# Allegro board RK_NVR_DEMO1_RK3588_LP4XD200P232SD8_V21_20211228_final_lint.brd (continued)
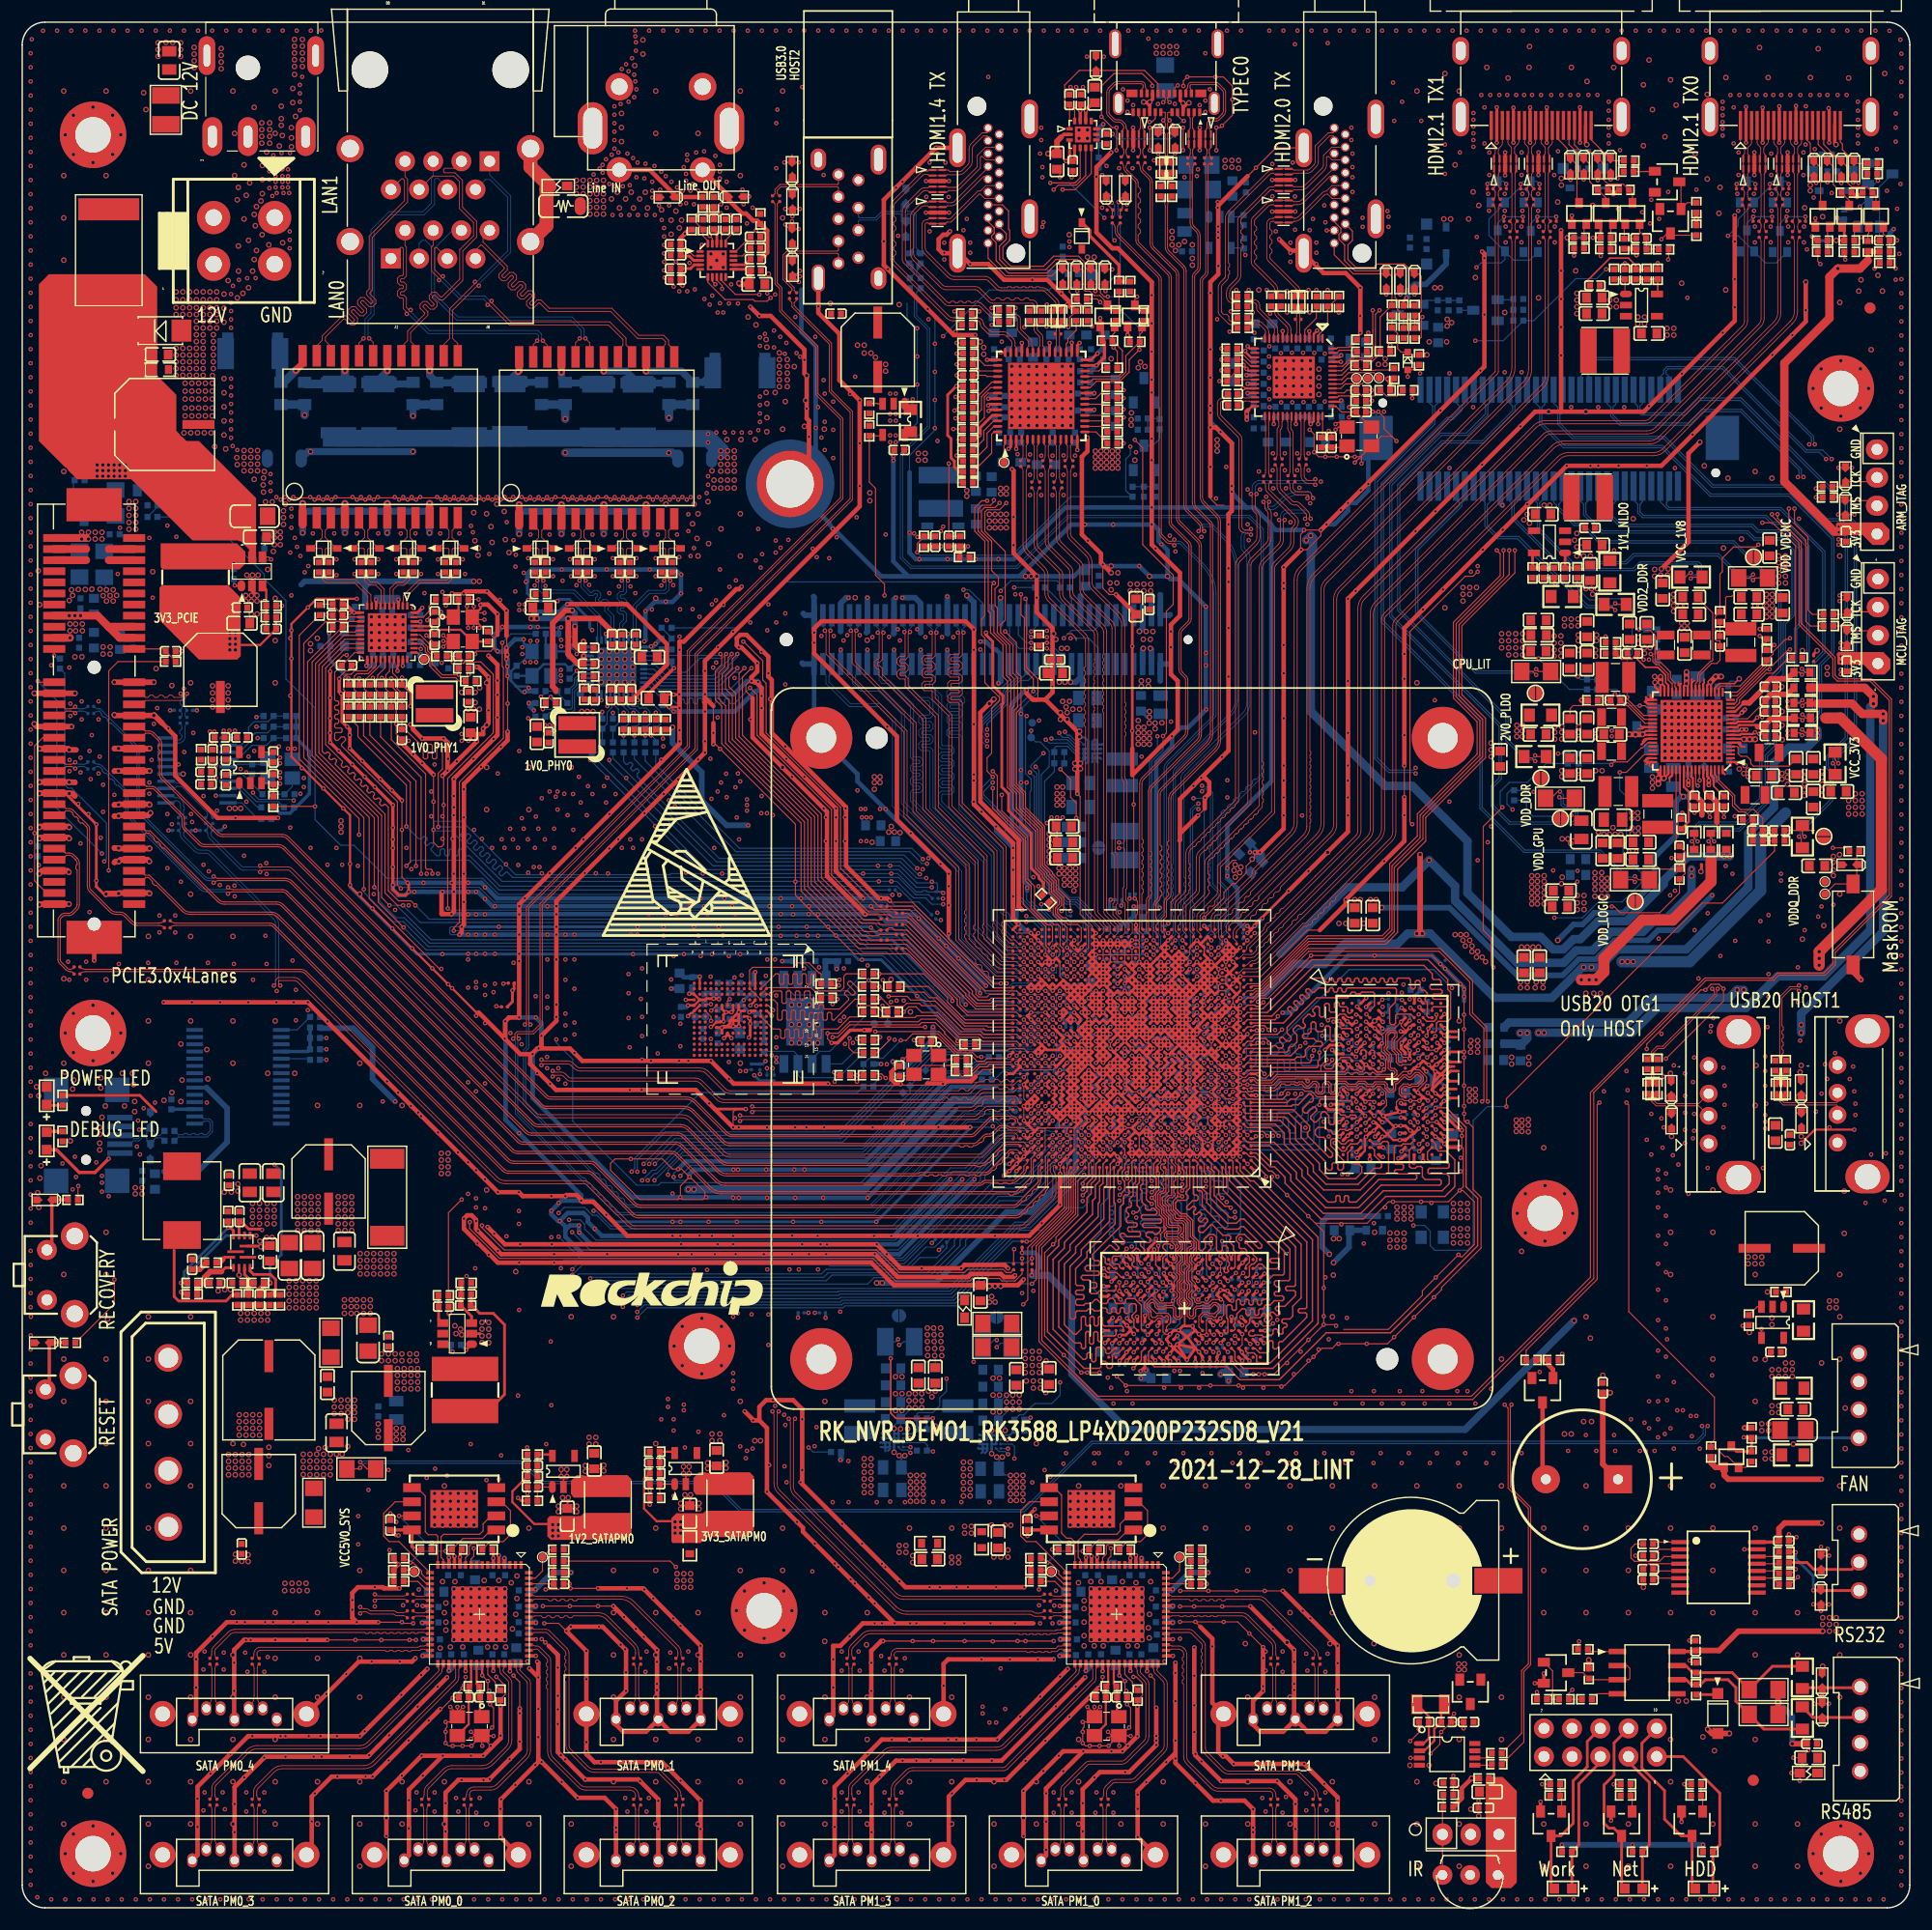
[diagram p0: board, top side]
## Copper pours and planes (outline as drawn; the poured copper is in the pictures) (continued)
VDD_GPU on BOTTOM: 101.01,82.03 101.01,81.65 101.39,81.27 101.39,80.89 100.89,80.38 100.89,80.13 101.14,79.88 103.17,79.88 103.68,80.38 103.68,82.16 103.81,82.29 103.81,82.54 103.68,82.67 103.05,82.67 102.79,82.42 102.41,82.42 102.28,82.54 101.9,82.54 101.52,82.16 101.14,82.16
VDD_GPU on BOTTOM: 110.51,94.33 111.22,93.62 111.22,93.11 110.41,92.3 109.5,92.3 108.89,92.91 108.89,94.84 109.4,95.34 109.8,95.34 110.51,94.63
VDD_GPU on BOTTOM: 138.35,90.06 137.95,89.65 135.1,89.65 135,89.76 135,93.92 135.61,94.53 136.73,94.53 137.34,93.92 137.34,93.51 137.44,93.41 137.74,93.41 138.35,92.8
VDD_GPU on L3-POWER1: 113.66,88.38 129.21,88.38 129.26,88.33 130.43,88.33 131.85,86.91 136.62,86.91 137.44,87.72 137.44,93.01 137.03,93.41 135,93.41 134.64,93.77 134.54,93.77 131.75,96.56 107.03,96.56 102.03,91.56 102.03,90.47 101.78,90.21 101.78,82.34 101.75,82.34 101.65,82.24 101.65,80 101.78,79.88 104.7,79.88 105.59,80.76 105.59,81.32 105.64,81.32 105.84,81.53 106.04,81.53 106.35,81.83 106.35,82.03 106.34,82.05 106.34,82.25 106.75,82.67 108.38,82.67 108.77,83.06 109.51,83.06 112.04,85.59 112.04,86.76
VDD_GPU on L4-S1: 104.98,79.75 105.43,80.21 105.43,82.14 112.47,89.17 125.8,89.17 126.02,89.39 136.93,89.39 137.2,89.65 137.23,89.65 137.64,90.06 137.64,93.92 136.12,95.45 109.85,95.45 109.75,95.55 106.86,95.55 100.45,89.15 100.45,86.4 100.76,86.1 100.76,81.02 101.37,80.41 101.37,79.9 101.52,79.75
VDD_GPU_P on TOP: 143.05,97.71 143.18,97.83 143.18,102.02 141.78,102.02 140.82,101.06 139.11,101.06 139.11,99.36 138.73,98.98 138.73,97.71
VDD_IVDD10 on TOP: 141.91,138.12 140.08,138.12 139.37,138.83 139.37,146.04 139.98,146.65 141.2,146.65 141.6,146.25 141.6,142.69 141.91,142.38
VDD_IVDD10 on BOTTOM: 111.12,134.76 110.61,134.76 110.51,134.87 110.21,134.87 110.11,134.76 110.11,132.02 110.72,131.41 112.75,131.41 112.85,131.51 112.85,132.53 112.55,132.83 111.33,132.83 111.22,132.94 111.22,134.66
VDD_IVDD10 on BOTTOM: 110.01,140.25 110.01,142.59 110.51,143.1 111.53,143.1 111.73,142.89 111.73,142.18 111.33,141.77 111.22,141.77 111.22,140.25 111.12,140.15 110.11,140.15
VDD_IVDD10 on L4-S1: 110.21,141.77 109.19,140.76 109.19,133.95 110.61,132.53 129.21,132.53 135.41,138.73 137.23,138.73 140.59,142.08 140.59,145.94 140.38,146.14 138.96,146.14 137.44,144.62 132.66,144.62 129.82,141.77
VDD_IVDD12_6161 on BOTTOM: 92.02,130.5 92.02,129.58 91.92,129.48 90.8,129.48 90.6,129.28 90.6,129.07 90.09,128.57 85.11,128.57 84.81,128.26 80.85,128.26 80.64,128.47 80.64,129.89 80.85,130.09 82.07,130.09 82.67,130.7 84.91,130.7 85.11,130.9 85.11,131.21 84.61,131.72 84.61,140.15 86.84,142.38 86.84,143.81 86.94,143.91 88.16,143.91 88.36,143.71 88.36,140.45 88.06,140.15 87.25,140.15 87.15,140.05 87.15,139.34 86.74,138.93 86.74,135.88 86.94,135.68 87.75,135.68 87.86,135.58 87.86,133.95 87.35,133.44 87.35,129.89 87.75,129.48 88.97,129.48 89.18,129.68 89.18,130.5 89.38,130.7 90.8,130.7 90.9,130.6 91.92,130.6
VDD_IVDD12_6161 on BOTTOM: 96.8,139.84 96.9,139.84 97.2,140.15 97.61,140.15 98.02,140.56 98.02,142.18 97.91,142.28 97.1,142.28 97,142.18 97,140.56 96.59,140.15 96.59,140.05
VDD_IVDD12_6161 on L4-S1: 86.74,134.46 87.45,134.46 88.26,135.27 88.26,140.05 88.97,140.76 95.27,140.76 96.19,139.84 96.19,136.19 96.49,135.88 97.81,135.88 98.32,136.39 98.32,141.27 95.98,143.6 87.55,143.6 85.93,141.98 85.93,135.27
VDD_LOGIC on TOP: 144.78,93.57 144.78,91.79 145.16,91.41 145.16,90.14 143.94,90.14 143.3,90.77 141.6,90.77 141.4,90.97 141.4,95.04 141.53,95.17 144.19,95.17 144.32,95.04 144.32,94.02
VDD_LOGIC on BOTTOM: 98.47,82.67 98.47,81.91 98.98,81.4 98.98,80.64 99.24,80.38 99.49,80.38 99.87,80 100.12,80 100.25,80.13 100.25,82.16 100.12,82.29 100.12,83.05 99.87,83.3 99.62,83.3 99.11,82.8 98.6,82.8
VDD_LOGIC on BOTTOM: 140.49,94.84 140.49,91.99 141.6,90.87 143.23,90.87 143.33,90.97 143.33,93.62 142.01,94.94 140.59,94.94
VDD_LOGIC on L3-POWER1: 101.39,90.09 101.9,90.59 101.9,92.07 106.88,97.05 130.1,97.05 130.12,97.07 132.15,97.07 135.3,93.92 137.13,93.92 140.49,90.57 143.13,90.57 143.18,90.62 143.89,90.62 144.24,90.97 144.24,98.59 138.76,104.08 103.25,104.08 97.46,98.29 97.46,95.62 97.71,95.37 97.71,93.34 97.2,92.83 97.2,89.25 96.8,88.84 96.8,84.22 97.97,83.05 97.97,80.26 98.47,79.75 98.47,76.57 98.22,76.32 98.22,74.01 98.32,73.91 98.32,73.3 98.52,73.09 98.52,72.81 98.83,72.51 100,72.51 100.25,72.76 100.25,73.4 101.14,74.29 101.52,74.29 101.78,74.54 101.78,76.32 101.52,76.57 101.52,77.72 101.14,78.1 101.14,79.37 101.39,79.62
VDD_LOGIC on L4-S1: 100.25,86.2 100.25,89.55 106.64,95.94 112.84,95.94 112.85,95.95 136.42,95.95 141.6,90.77 143.43,90.77 144.14,91.48 144.14,95.75 143.94,95.95 143.94,97.27 138.66,102.56 105.66,102.56 100.77,97.67 99.22,97.67 96.9,95.34 96.9,89.45 97.31,89.04 97.31,85.59 98.02,84.88 98.02,78.99 98.42,78.58 99.24,78.58 100.05,77.77 101.06,77.77 101.27,77.97 101.27,80.21 100.56,80.92 100.56,85.89
VDD_LOGIC_P on TOP: 146.17,98.01 148.78,98.01 148.78,91.28 147.51,90.01 145.67,90.01 145.54,90.14 145.54,91.28 145.92,91.66 145.92,97.76
VDD_NPU on TOP: 94.16,97.99 94.77,97.99 95.17,97.58 95.17,91.69 94.97,91.48 93.95,91.48 93.55,91.89 93.55,92.6 93.14,93.01 93.14,93.82 93.34,94.02 93.95,94.02 94.05,94.12 94.05,97.88
VDD_NPU on BOTTOM: 95.17,95.14 95.17,94.73 94.56,94.12 93.44,94.12 93.14,93.82 93.14,92.7 93.65,92.19 93.65,91.89 94.26,91.28 98.83,91.28 101.06,93.51 101.06,95.34 100.86,95.55 100.15,95.55 99.85,95.24 97.61,95.24 97.41,95.45 96.49,95.45 96.29,95.24 95.27,95.24
VDD_NPU on BOTTOM: 95.68,83.81 95.68,83.66 95.17,83.66 94.97,83.46 94.97,83.05 95.07,82.95 95.68,82.95 95.98,82.64 95.98,82.34 95.55,81.91 95.55,81.65 96.44,80.76 96.44,80.64 96.57,80.51 97.71,80.51 97.84,80.64 97.84,81.12 97.71,81.25 97.71,82.85 97.61,82.95 97.31,82.95 96.9,83.35 96.9,83.74 96.57,84.07 95.93,84.07
VDD_NPU on L3-POWER1: 89.48,80.61 89.2,80.89 89.2,93.01 90.22,94.02 95.68,94.02 97.2,92.5 97.2,83.35 97.5,83.06 97.5,82.83 97.58,82.75 97.58,80.59 97.41,80.41 96.8,80.41 96.59,80.61
VDD_NPU on L4-S1: 95.37,80.31 97.71,80.31 97.81,80.41 97.81,84.78 96.7,85.89 96.7,92.91 95.58,94.02 92.94,94.02 92.73,93.82 87.86,93.82 87.15,93.11 87.15,87.01 90.6,83.56 94.56,83.56 95.07,83.05 95.07,80.61
VDD_NPU_P on BOTTOM: 95.07,97.99 95.07,95.85 95.27,95.65 97.2,95.65 97.81,96.26 99.85,96.26 100.25,95.85 101.06,95.85 101.06,101.13 99.95,102.25 95.88,102.25 95.68,102.05 95.68,98.8 95.48,98.59 94.97,98.59 94.77,98.39 94.77,98.09 94.87,97.99
VDD_NVDD12_6161 on BOTTOM: 89.69,132.43 95.37,132.43 95.58,132.22 95.58,130.9 94.97,130.29 94.97,129.99 94.66,129.68 92.53,129.68 92.43,129.79 92.43,130.6 91.82,131.21 89.58,131.21 89.38,131.41 89.38,131.72 89.69,132.02
VDD_PVCC12_6161 on BOTTOM: 96.59,142.28 96.49,142.38 95.37,142.38 95.07,142.08 95.07,140.86 94.97,140.76 94.97,140.35 95.07,140.25 96.49,140.25 96.59,140.35
VDD_RDVDD12_6161 on BOTTOM: 89.18,132.43 87.75,132.43 87.55,132.22 87.55,129.89 87.86,129.58 88.57,129.58 88.87,129.89 88.87,131.21 89.08,131.41 89.08,131.61 89.28,131.82 89.28,132.33
VDD_TAVCC10 on BOTTOM: 112.65,141.17 116.2,141.17 116.3,141.27 116.3,142.28 115.39,143.2 112.44,143.2 112.14,142.89 112.14,142.28 112.44,141.98 112.44,141.37
VDD_TDVDD12_6161 on BOTTOM: 88.57,140.25 90.19,140.25 90.29,140.35 90.29,142.18 89.89,142.59 88.77,142.59 88.57,142.38
VDD_VDENC on TOP: 134.8,84.78 137.34,84.78 137.54,84.57 137.54,82.75 137.23,82.44 134.69,82.44 134.29,82.85 134.29,84.27
VDD_VDENC on TOP: 156.64,118.84 157.86,118.84 158.16,118.53 158.16,117.77 158.29,117.64 159.18,117.64 159.43,117.9 159.43,122.09 159.05,122.47 156.13,122.47 156.13,120.82 156.39,120.82 156.51,120.69 156.51,118.97
VDD_VDENC on BOTTOM: 101.65,78.61 102.92,78.61 103.3,78.99 103.81,78.99 103.91,78.88 103.91,78.58 103.68,78.35 103.68,77.97 103.93,77.72 103.93,77.46 103.68,77.21 103.05,77.21 102.79,76.95 102.79,76.19 102.66,76.07 102.41,76.07 102.16,76.32 101.9,76.32 101.78,76.45 101.78,76.83 102.16,77.21 102.16,77.59 101.9,77.84 101.78,77.84 101.65,77.97
VDD_VDENC on L3-POWER1: 102.66,75.81 101.71,76.76 101.71,78.03 101.52,78.22 101.52,79.24 101.78,79.49 104.63,79.49 106.03,80.89 106.03,81.12 106.65,81.74 106.65,82.14 106.96,82.44 108.58,82.44 108.84,82.69 109.85,82.69 112.55,85.39 112.55,86.61 113.94,88 129.84,88 129.97,87.88 130.07,87.88 132.15,85.79 137.84,85.79 141.3,89.25 145.57,89.25 150.95,94.63 152.37,94.63 157.35,99.61 157.35,121.66 157.96,122.27 162.02,122.27 167,117.29 167,96.05 149.93,78.99 132.05,78.99 128.5,82.54 118.41,82.54 117.52,81.65 117.52,77.77 116.08,76.32 106.09,76.32 105.71,76.7 105.08,76.7 104.19,75.81
VDD_VDENC_P on TOP: 155.45,115.03 155.7,115.28 155.7,119.6 155.57,119.73 155.57,120.87 155.88,121.18 155.88,122.47 154.35,122.47 153.72,121.84 153.72,116.17 153.41,115.87 153.41,115.13 153.52,115.03
VDDA0V75_IMAGE on TOP: 160.7,109.03 160.7,108.15 160.91,107.94 164.26,107.94 165.58,106.62 167.92,106.62 168.02,106.72 168.02,107.94 167.82,108.15 166.29,108.15 165.28,109.16 160.83,109.16
VDDA0V75_IMAGE on TOP: 118.74,87.83 118.44,88.13 118.44,89.04 118.64,89.25 122.2,89.25 122.3,89.15 122.3,87.93 122.2,87.83
VDDA0V75_IMAGE on BOTTOM: 167.1,107.94 167.1,88.03 159.69,80.61 159.69,78.58 159.79,78.48 161.01,78.48 161.31,78.78 161.31,80.21 168.63,87.52 168.63,107.84 168.22,108.25 167.41,108.25
VDDA0V75_IMAGE on BOTTOM: 105.94,82.24 105.53,82.24 105.43,82.14 105.43,80.51 105.64,80.31 105.64,79.49 105.84,79.29 106.14,79.29 106.45,79.6 106.45,80.51 106.35,80.61 106.14,80.61 106.04,80.71 106.04,82.14
VDDA0V75_IMAGE on L6-S2: 110.08,85.29 113.94,89.15 122.2,89.15 122.25,89.1 123.16,89.1 124.64,87.62 128.9,87.62 132.66,83.86 132.66,82.54 134.29,80.92 142.92,80.92 143.94,79.9 150.95,79.9 153.39,77.46 155.73,77.46 158.16,79.9 160.6,79.9 160.81,79.7 160.81,78.68 158.37,76.24 152.78,76.24 151.05,77.97 139.57,77.97 137.84,79.7 133.27,79.7 131.54,81.42 131.54,83.25 128.29,86.5 123.92,86.5 122.83,87.6 114.25,87.6 110.61,83.96 110.61,83.86 110.21,83.46 108.99,83.46 108.28,82.75 107.77,82.75 107.57,82.54 107.36,82.54 106.25,81.42 106.25,80 106.04,79.8 105.74,79.8 105.43,80.1 105.43,82.54 106.14,83.25 106.14,83.76 107.67,85.29
VDDA0V75_IMAGE_P on TOP: 157.35,108.17 156.84,108.17 155.57,106.9 156.72,106.9 157.35,107.54
VDDA0V75_IMAGE_P on TOP: 160.02,108.17 160.02,109.06 159.89,109.19 159.13,109.19 158.8,108.86 158.8,108.12 158.87,108.04 159.89,108.04
VDDA0V75_IMAGE_P on L6-S2: 159.38,108.96 159.38,108.25 159.18,108.04 158.16,108.04 157.25,107.13 156.23,107.13 156.03,107.33 156.03,107.94 157.25,109.16 159.18,109.16
VDDA_0V75 on TOP: 161.97,106.52 160.91,106.52 160.78,106.39 160.78,105.63 161.03,105.38 162.1,105.38 162.18,105.45 162.18,106.32
VDDA_0V75 on BOTTOM: 76.88,56.02 76.68,56.23 76.68,56.53 76.78,56.63 81.96,56.63 88.67,63.34 91.11,63.34 94.66,66.9 94.66,67.51 94.56,67.61 94.56,68.83 94.77,69.03 94.77,69.74 94.56,69.94 94.56,70.25 94.87,70.55 95.27,70.55 95.88,71.16 96.19,71.16 96.29,71.06 96.29,70.96 95.98,70.65 95.78,70.65 95.68,70.55 95.68,68.32 95.37,68.01 95.37,66.79 90.6,62.02 89.18,62.02 83.18,56.02
VDDA_0V75 on L6-S2: 93.65,83.25 94.26,83.25 94.77,82.75 94.77,81.73 94.97,81.53 94.97,80.71 94.77,80.51 94.36,80.51 93.65,81.22
VDDA_0V75 on L6-S2: 110.01,85.59 109.9,85.49 107.57,85.49 106.35,84.27 105.53,84.27 105.23,84.57 105.23,84.68 105.53,84.98 106.14,84.98 106.75,85.59 106.75,86.81 107.06,87.11 107.67,87.11 109.6,89.04 113.26,89.04 113.26,88.74 110.11,85.59
VDDA_0V75_P on TOP: 160.02,105.4 160.02,106.21 159.85,106.38 159.01,106.38 158.8,106.16 158.8,105.53 158.96,105.36 159.98,105.36
VDDA_0V75_P on TOP: 157.35,105.25 156.72,105.25 156.59,105.38 156.59,105.63 154.43,105.63 154.81,106.01 155.19,106.01 155.45,106.27 157.1,106.27 157.35,106.01
VDDA_0V75_P on L6-S2: 155.93,106.62 159.18,106.62 159.48,106.32 159.48,105.3 159.28,105.1 156.23,105.1 155.83,105.5 155.83,106.52
VDDA_0V75_PMU on TOP: 161.01,111.98 160.87,111.98 160.74,111.85 160.74,110.96 160.87,110.84 162.01,110.84 162.04,110.87 162.92,110.87 163.04,110.99 163.04,112.21 162.63,112.62 161.31,112.62 161.01,112.31
VDDA_0V75_PMU on BOTTOM: 163.95,112.01 163.75,112.21 162.53,112.21 162.13,111.8 162.13,105.3 160.81,103.98 159.28,103.98 158.37,103.07 158.37,99 158.27,98.9 158.27,97.78 159.59,97.78 161.92,100.12 161.92,102.76 162.23,103.07 162.23,103.67 163.95,105.4
VDDA_0V75_PMU on L6-S2: 99.13,82.54 99.13,77.97 99.03,77.87 99.03,77.26 99.24,77.06 99.24,75.33 98.32,74.41 93.65,74.41 93.24,74.82 93.24,75.02 94.26,76.04 94.77,76.04 95.63,76.9 95.63,79.75 96.19,80.31 96.19,82.95 95.88,83.25 95.88,84.88 95.37,85.39 95.37,89.25 95.98,89.86 97.71,89.86 98.52,89.04 98.52,85.59 98.02,85.08 98.02,83.46 98.52,82.95 98.73,82.95
VDDA_0V75_PMU_P on TOP: 159.98,110.96 159.98,111.85 159.85,111.98 159.43,111.98 158.71,111.26 157.62,111.26 155.24,108.88 154.99,108.88 154.35,108.25 154.35,107.74 154.48,107.74 155.12,108.37 155.75,108.37 157.15,109.77 157.27,109.77 157.4,109.9 157.4,110.15 157.78,110.53 159.18,110.53 159.48,110.84 159.85,110.84
VDDA_0V85 on TOP: 161.97,107.79 160.91,107.79 160.78,107.66 160.78,106.9 161.03,106.65 162.46,106.65 162.48,106.62 162.63,106.62 162.74,106.72 162.74,107.64 162.63,107.74 162.02,107.74
VDDA_0V85 on BOTTOM: 102.08,84.88 102.08,85.59 102.18,85.69 103.71,85.69 103.71,84.88 103.6,84.88 103.2,84.47 102.49,84.47
VDDA_0V85 on BOTTOM: 90.02,72.51 92.38,72.51 92.5,72.38 92.5,72.13 92.38,72 92.38,71.75 92.89,71.75 93.14,72 93.14,74.21 92.94,74.41 92.61,74.41 92.5,74.31 92.5,73.4 92.38,73.27 91.49,73.27 91.36,73.4 89.38,73.4 89.08,73.09 89.08,72.48 89.18,72.38 89.89,72.38
VDDA_0V85 on L6-S2: 102.64,84.42 103.48,84.42 103.52,84.46 103.69,84.46 103.81,84.57 103.81,85.59 104.21,86 104.72,86 105.33,86.61 105.33,88.03 107.97,90.67 111.94,90.67 112.14,90.87 121.89,90.87 122.15,91.13 125.14,88.13 130.02,88.13 131.34,86.81 131.34,85.49 132.87,83.96 132.87,82.54 134.39,81.02 143.13,81.02 144.14,80 161.41,80 162.53,81.12 162.53,86.61 162.33,86.81 161.62,86.81 161.01,86.2 161.01,81.93 160.4,81.32 157.15,81.32 156.64,81.83 147.6,81.83 146.48,82.95 136.22,82.95 133.47,85.69 133.47,87.01 130.93,89.55 126.26,89.55 123.01,92.8 115.8,92.8 115.39,93.21 112.24,93.21 110.92,91.89 107.06,91.89 103.3,88.13 103.3,86 102.59,85.29 102.59,84.47
VDDA_0V85_P on TOP: 160.02,106.77 160.02,107.66 159.89,107.79 159.13,107.79 158.75,107.41 158.75,107.03 159.07,106.71 159.95,106.71
VDDA_DDR_PLL on TOP: 160.74,110.36 160.74,109.47 160.82,109.39 161.97,109.39 162.1,109.52 162.1,110.36 161.97,110.48 160.87,110.48
VDDA_DDR_PLL on L6-S2: 103.71,74.11 103.4,73.8 102.79,73.8 102.08,73.09 101.37,73.09 101.17,72.89 101.17,72.18 101.47,71.87 102.28,71.87 102.79,72.38 104.82,72.38 105.84,73.4 105.84,76.14 106.45,76.75 106.86,76.75 108.28,78.17 108.28,79.7 107.97,80 107.97,80.51 109.09,81.63 110.21,81.63 110.72,82.14 110.72,82.95 110.61,83.05 109.9,83.05 109.09,82.24 108.68,82.24 106.86,80.41 106.86,79.39 107.06,79.19 107.06,78.58 106.35,77.87 104.21,77.87 104.01,77.67 104.01,76.55 103.71,76.24
VDDA_DDR_PLL_P on TOP: 159.98,109.47 159.98,110.37 159.94,110.41 159.43,110.41 159.31,110.28 159.31,110.15 158.8,109.64 157.27,109.64 155.62,107.99 155.62,107.74 155.37,107.48 154.99,107.48 154.73,107.23 154.86,107.1 155.5,107.1 156.77,108.37 157.27,108.37 157.4,108.5 157.4,108.88 157.66,109.14 159.05,109.14 159.26,109.34 159.85,109.34
VDDQ_DDR on TOP: 162.74,95.55 162.74,96.36 162.63,96.46 161.72,96.46 161.41,96.16 159.89,96.16 159.38,95.65 158.67,95.65 153.29,90.26 151.36,90.26 134.08,72.99 134.08,69.84 134.29,69.64 137.03,69.64 151.46,84.07 156.13,84.07 161.62,89.55 161.62,94.43
VDDQ_DDR on BOTTOM: 122.1,58.97 122.1,61 122.22,61.13 122.22,61.46 122.35,61.59 122.73,61.59 122.96,61.36 122.96,61.36 124.84,61.36 125,61.21 126.06,61.21 126.57,60.7 126.57,59.68 127.18,59.07 130.53,59.07 130.93,59.48 130.93,70.86 131.95,71.87 135.51,71.87 136.22,71.16 136.22,67.51 133.88,65.17 133.88,56.94 132.66,55.72 125.35,55.72
VDDQ_DDR on BOTTOM: 102.41,72.38 102.41,72.13 102.79,71.75 105.08,71.75 105.33,71.49 105.33,71.24 105.59,70.99 107.62,70.99 107.74,71.11 107.74,71.24 107.49,71.49 106.22,71.49 105.97,71.75 105.97,73.65 105.46,74.16 105.46,74.92 105.84,75.3 105.84,76.07 106.22,76.45 106.73,76.45 107.36,77.08 107.36,77.72 107.24,77.84 106.98,77.84 106.73,77.59 106.73,77.34 105.84,76.45 105.2,76.45 104.82,76.07 104.82,73.65 105.2,73.27 105.2,72.64 105.08,72.51 102.54,72.51
VDDQ_DDR on L3-POWER1: 103.5,67 103.5,70.65 102.69,71.47 102.39,71.47 102.28,71.57 102.28,72.26 102.54,72.51 104.57,72.51 104.95,72.89 104.95,76.19 105.2,76.45 105.46,76.45 105.97,75.94 109.01,75.94 109.41,75.54 115.07,75.54 116.2,74.41 116.2,69.74 122.1,63.85 124.84,63.85 125.09,63.59 125.09,61.46 125.14,61.41 125.14,59.81 125.13,59.8 125.13,59.36 124.64,58.87 118.74,58.87 118.44,59.17 115.75,59.17 112.7,62.22 108.28,62.22 ; 1 cut-out
VDDQ_DDR_CK on L3-POWER1: 100.66,65.98 99.74,65.98 99.24,66.49 99.24,71.98 99.6,72.34 100.09,72.34 100.38,72.64 100.38,73.02 101.27,73.91 104.44,73.91 104.7,73.65 104.7,72.89 104.44,72.64 102.41,72.64 102.16,72.38 102.16,71.77 102.08,71.77 101.06,70.76 101.06,69.84 100.96,69.74 100.96,66.29
VDDQ_DDR_P on TOP: 159.79,97.07 161.21,97.07 161.52,96.77 163.04,96.77 163.14,96.87 163.14,99.31 162.71,99.74 159.31,99.74 159.05,99.99 159.05,100.55 158.37,101.24 156.74,101.24 156.54,101.03 156.54,98.9 157.86,97.58 158.37,97.58 158.47,97.48 158.47,96.05 158.57,95.95 159.08,95.95 159.18,96.05 159.18,96.56 159.48,96.87 159.59,96.87
VDDQ_DRAM on BOTTOM: 127.56,63.75 127.92,64.11 130.43,64.11 130.61,63.93 130.61,59.97 130.34,59.7 127.83,59.7 127.56,59.97
VDDQ_DRAM on L3-POWER1: 117.9,81.02 117.9,68.83 122.35,64.38 125.32,64.38 125.85,63.85 125.85,60.01 124.7,58.86 123.3,58.86 122.1,57.65 114.98,57.65 113.08,59.56 98.09,59.56 97.33,58.79 97.33,48.89 98.47,47.74 124.64,47.74 131.87,54.98 131.87,67.18 131.7,67.35 131.7,79.04 128.7,82.03 118.92,82.03
(no net) on TOP: 65.94,37.36 65.94,38.88 65.56,39.26 60.98,39.26 60.48,38.75 60.48,37.48 60.73,37.23 65.81,37.23
(no net) on TOP: 2.03,0.51 0.95,0.95 0.51,2.03 0.51,167.94 0.95,169.02 2.03,169.47 168.05,169.47 169.12,169.02 169.57,167.94 169.57,2.03 169.12,0.95 168.05,0.51 ; 87 cut-outs
(no net) on TOP: 54.91,35.45 54.91,33.8 54.28,33.16 47.62,33.16 47.32,33.47 47.32,35.09 47.55,35.32 50.34,35.32 50.59,35.58 54.79,35.58
(no net) on TOP: 65.94,35.58 65.94,34.05 65.3,33.42 61.67,33.42 61.14,32.89 58.62,32.89 58.49,33.01 58.49,35.12 58.95,35.58 61.36,35.58 61.62,35.83 65.71,35.83 65.71,35.81
(no net) on TOP: 20.44,121.15 20.44,122.43 19.7,123.18 15.42,123.18 9.83,128.77 4.95,128.77 1.5,132.22 1.5,146.35 2.41,147.26 11.05,147.26 12.16,146.14 12.16,138.12 13.89,136.39 13.89,133.14 14.81,132.22 15.92,132.22 21.08,127.07 21.08,121.33 20.9,121.15
(no net) on TOP: 12.57,119.22 18.57,119.22 19.68,118.1 19.68,114.77 19.7,114.76 19.7,112.83 19.38,112.51 15.92,112.51 12.37,116.07 12.37,119.02
(no net) on TOP: 168.25,124.25 167.61,124.88 163.55,124.88 163.42,124.76 163.42,123.87 163.55,123.74 165.83,123.74 166.72,122.85 167.74,122.85 168.25,123.36
(no net) on TOP: 12.49,123 12.47,122.98 12.47,120.85 12.67,120.64 19.58,120.64 20.09,121.15 20.09,122.27 19.35,123
(no net) on TOP: 54.91,37.1 54.91,38.63 54.53,39.01 49.96,39.01 49.45,38.5 49.45,37.23 49.71,36.97 54.79,36.97
(no net) on TOP: 134.16,1.77 134.67,2.28 134.67,10.53 133.4,11.8 132,11.8 131.87,11.68 131.87,2.28 132.38,1.77
(no net) on TOP: 168.32,112.56 167.69,113.2 163.62,113.2 163.5,113.07 163.5,112.18 163.62,112.06 165.91,112.06 166.8,111.17 167.82,111.17 168.32,111.68
(no net) on BOTTOM: 2.03,0.51 0.95,0.95 0.51,2.03 0.51,167.94 0.95,169.02 2.03,169.47 168.05,169.47 169.12,169.02 169.57,167.94 169.57,2.03 169.12,0.95 168.05,0.51 ; 78 cut-outs
(no net) on L4-S1: 2.03,0.51 0.95,0.95 0.51,2.03 0.51,167.94 0.95,169.02 2.03,169.47 168.05,169.47 169.12,169.02 169.57,167.94 169.57,2.03 169.12,0.95 168.05,0.51 ; 55 cut-outs
(no net) on L6-S2: 2.03,0.51 0.95,0.95 0.51,2.03 0.51,167.94 0.95,169.02 2.03,169.47 168.05,169.47 169.12,169.02 169.57,167.94 169.57,2.03 169.12,0.95 168.05,0.51 ; 63 cut-outs
PHY0_REG_OUT on TOP: 48.28,106.11 48.28,107.74 48.59,108.04 51.74,108.04 51.84,107.94 51.84,106.42 51.53,106.11
PHY0_REG_OUT on BOTTOM: 51.86,109.59 51.86,109.59 51.86,109.69 51.79,109.77 51.38,109.77 50.11,108.5 50.11,107.74 50.32,107.54 51.74,107.54 51.86,107.66
PHY1_REG_OUT on TOP: 34.62,112.69 34.62,112.69 34.62,112.79 34.69,112.87 35.1,112.87 36.42,111.55 36.42,111.52 37.36,110.58 38.68,110.58 38.89,110.38 38.89,109.36 38.68,109.16 35.41,109.16 35.23,109.34 35.23,109.59 34.8,110.02 34.8,110.56 34.62,110.74
PMIC1_SW1 on TOP: 146.61,102.38 146.61,102.53 146.81,102.74 147.01,102.74 147.11,102.84 147.11,102.94 147.01,103.04 146.4,103.04 146.4,103.55 146.3,103.65 145.79,103.65 144.37,102.23 144.37,99.36 144.32,99.31 144.32,99.23 144.45,99.1 145.59,99.1 145.72,99.23 145.72,100.5 145.84,100.63 145.97,100.63 146.1,100.75 146.1,101.87
PMIC1_SW2 on TOP: 146.4,109.06 146.4,108.53 145.69,108.53 144.7,109.52 144.19,109.52 144.07,109.64 144.07,112.31 145.84,112.31 146.56,111.6 146.56,110.2 147.19,109.57 147.19,109.06
PMIC1_SW3 on TOP: 149.02,99.23 149.02,101.9 148.77,102.15 148.51,102.15 148.26,101.9 148.27,101.88 148.27,101.52 147.13,100.37 146.1,100.37 146.1,99.23
PMIC1_SW4 on TOP: 152.54,111.21 151.48,110.15 151.28,110.15 151.28,111.02 153.34,113.07 153.34,113.45 156.13,113.45 156.13,112.31 155.75,112.31 154.61,111.17 153.08,111.17 153.05,111.21
PMIC1_SW5 on TOP: 144.35,103.52 145.59,104.77 145.9,104.77 146.1,104.97 146.1,105.28 146,105.38 144.88,105.38 144.57,105.07 143.76,105.07 143.76,103.52
PMIC1_SW6 on TOP: 149.5,110.3 149.45,110.25 149.4,110.25 149.35,110.2 148.97,110.2 148.51,110.66 148.51,111.42 147.5,112.44 147.24,112.44 147.24,113.33 148.64,113.33 148.77,113.2 148.77,112.56 149.5,111.83
PMIC1_SW7 on TOP: 145.82,107 146,107 146.3,106.7 146.3,106.29 146.2,106.19 145.24,106.19 144.83,106.6 143.7,106.6 143.7,108.13 143.81,108.25 144.57,108.25
PMIC1_SW8 on TOP: 155.62,103.8 154.86,103.8 154.65,104.02 154.65,104.86 154.63,104.87 154.63,104.97 154.73,105.07 155.95,105.07 155.98,105.05 156.77,105.05 156.87,104.94 156.89,104.94 156.89,103.29 156.13,103.29
PMIC1_SW9 on TOP: 153.41,102.23 153.21,102.02 153.21,101.39 154.48,100.12 154.48,99.48 154.56,99.41 155.51,99.41 155.61,99.51 155.61,101.02 154.1,102.53 153.82,102.53 153.72,102.63 153.41,102.63
PMIC1_SW10 on TOP: 150.37,110.66 150.37,111.88 150.67,112.18 150.67,113.33 152.32,113.33 152.32,112.44 151.94,112.44 150.87,111.37 150.87,110.76 150.67,110.56 150.47,110.56
N15156243 on TOP: 19.78,59.28 19.89,59.17 19.89,59.07 19.48,59.07 19.28,58.87 17.75,58.87 17.04,58.16 15.11,58.16 14.91,58.36 14.91,58.77 14.81,58.87 13.08,58.87 12.67,59.28 12.67,61.92 12.88,62.12 17.35,62.12 18.26,61.21 18.26,60.09 18.87,59.48 19.07,59.48 19.28,59.28
N15216667 on TOP (solid shape): 61.55,39.26 61.76,39.2 61.97,39.26 63.29,39.26 63.3,39.26 63.42,39.24 63.55,39.26 63.55,39.26 65.56,39.26 65.94,38.88 65.94,37.36 65.81,37.23 60.73,37.23 60.6,37.35 60.6,37.36 60.55,37.46 60.48,37.54 60.48,38.75 60.98,39.26
N15216723 on TOP (solid shape): 50.52,39.01 50.74,38.95 50.95,39.01 52.27,39.01 52.27,39 52.4,38.98 52.52,39 52.53,39.01 54.53,39.01 54.91,38.63 54.91,37.1 54.84,37.03 50.73,37.03 50.73,36.97 49.71,36.97 49.58,37.1 49.58,37.11 49.53,37.21 49.45,37.29 49.45,38.5 49.96,39.01
N15763883 on TOP: 138.66,129.07 138.66,125.21 138.15,124.71 138.15,124.1 138.45,123.79 139.16,123.79 140.38,125.01 140.38,129.18 140.18,129.38 138.96,129.38
N15873508 on TOP: 160.09,39.77 162.02,39.77 163.75,41.5 163.75,45.15 164.56,45.97 166.39,45.97 166.9,46.47 166.9,48.3 166.39,48.81 162.02,48.81 160.7,47.49 160.4,47.49 159.99,47.08 159.99,39.87
N15889248 on TOP: 143.33,138.22 144.96,138.22 145.16,138.42 145.16,143.71 145.06,143.81 143.43,143.81 143.33,143.71
N16397971 on BOTTOM: 80.44,126.74 80.44,124.6 80.74,124.3 82.07,124.3 83.08,125.32 84.61,125.32 84.71,125.42 84.71,126.74 84.5,126.94 80.64,126.94
N17187559 on BOTTOM: 103.96,151.83 103.66,152.14 103.66,155.49 103.76,155.59 105.28,155.59 105.48,155.39 105.48,153.66 105.69,153.46 106.91,153.46 107.21,153.15 107.21,151.93 107.11,151.83
N17305210 on TOP (solid shape): 20.09,122.27 20.09,121.15 19.58,120.64 18.62,120.64 12.67,120.64 12.47,120.85 12.47,122.98 12.49,123 19.35,123
N17435180 on TOP: 38.48,51.15 39.8,49.83 42.75,49.83 43.05,49.52 43.05,47.79 42.64,47.39 36.95,47.39 36.65,47.69 36.65,50.74 37.06,51.15
N17758514 on BOTTOM: 78.05,43.4 78.05,43.2 78.15,43.1 78.15,42.99 77.54,42.99 77.54,42.28 76.99,42.28 76.9,42.19 74.36,42.19 74.14,42.41 74.14,43.43 74.22,43.5 77.95,43.5
N17758921 on BOTTOM: 86.84,43.27 86.84,43.07 86.94,42.97 86.94,42.87 86.33,42.87 86.33,42.16 83.74,42.16 83.69,42.11 83.08,42.11 82.98,42.21 82.98,43.32 83.08,43.43 85.72,43.43 85.77,43.38 86.74,43.38
N17759951 on BOTTOM: 96.29,103.47 97,103.47 97,104.18 100.05,104.18 100.15,104.08 100.15,103.17 99.85,102.86 96.39,102.86 96.29,102.96
N17849654 on TOP: 130.63,30.47 131.14,30.98 134.9,30.98 135.2,30.68 135.2,22.5 132.36,19.65 130.93,19.65 130.63,19.96
N21615728 on TOP: 161.44,15.11 161.44,11.75 161.85,11.35 166.62,11.35 167.13,11.85 167.13,15.21 166.52,15.82 162.15,15.82
N21756849 on TOP: 11.55,166.06 11.55,162.7 11.66,162.6 14.2,162.6 14.3,162.7 14.3,166.06 14.09,166.26 11.76,166.26
N21892034 on TOP: 11.9,47.73 11.9,52.1 12.47,52.67 23.54,52.67 25.68,50.54 28.62,50.54 28.83,50.33 28.83,47.69 28.52,47.39 12.24,47.39
N21892112 on TOP: 12.14,37.3 11.92,37.09 11.92,33 12.39,32.53 25.96,32.53 27.3,33.88 27.3,35.7 27.1,35.91 24.15,35.91 22.76,37.3
GND on L6-S2 (solid shape): 81.3,73.06 81.32,72.95 81.23,72.89 79.99,72.89 78.64,74.24 78.62,74.35 78.71,74.41 79.95,74.41

Small or netless copper shapes (teardrops, artwork), in the pictures only: 2 on L6-S2

## Text on the board
Ref Des/Silkscreen Bottom: EMMC_CLK | FSPI_CLK | VDD NPU | VDD CPU BIG1 | VDD CPU BIG0 | RESET | RECOVERY | 5V | 12V | GND | DEBUG | USB TO UART2 | FSPI | MIPI CSI RX | PowrerMeterage
User.Comments: CR_DCDC1_1 | CR_RJ45_1 | CR_DCDC1_2 | CR_DCDC1_3 | CR_RTC_1 | CR_PCIE_1 | CR_A_1 | CR_SATA_2 | CR_DCDC_2 | CR_VGA_1 | CR_DCDC_1 | CR_DC_1
Ref Des/Silkscreen Top: 3V3_PCIE | SATA PM0_4 | SATA PM0_3 | SATA PM0_0 | 1V0_PHY1 | 1V0_PHY0 | 1V2_SATAPM0 | Line IN | SATA PM0_1 | SATA PM0_2 | Line OUT | 3V3_SATAPM0 | SATA PM1_4 | SATA PM1_3 | SATA PM1_0 | SATA PM1_1 | SATA PM1_2 | CPU_LIT | VCC5V0_SYS | USB3.0 | HOST2 | 2V0_PLDO | VDD_DDR | VDD_GPU | VDD_LOGIC | 1V1_NLDO | VDD2_DDR | VCC_1V8 | VDD_VDENC | VDDQ_DDR | VCC_3V3 | GND | TCK | TMS | 3V3 | MCU_JTAG | ARM_JTAG | POWER LED | DEBUG LED | PCIE3.0x4Lanes | 12V | 5V | IR | Work | USB20 OTG1 | Only HOST | Net | HDD | USB20 HOST1 | RS485 | RS232 | FAN | RECOVERY | RESET | SATA POWER | DC 12V | LAN1 | LAN0 | HDMI1.4 TX | TYPEC0 | HDMI2.0 TX | HDMI2.1 TX1 | HDMI2.1 TX0 | MaskROM | RK_NVR_DEMO1_RK3588_LP4XD200P232SD8_V21 | 2021-12-28_LINT
BODY_CENTER: FIGURE | SIZE | 7.87 | 11.81 | 21.65 | 27.56 | 29.13 | 35.04 | 35.43 | 36.22 | 39.37 | 40.16 | 51.18 | 53.15 | 59.06 | 62.99 | 70.87 | 90.55 | 106.3 | 125.98 | 169.29 | 31.5 | 47.24 | 66.93 | 78.74 | 86.61 | 129.92 | 55.12x27.56 | 66.92x23.62 | 66.93x35.43 | 78.74x23.62 | 78.74x31.49 | 82.68x31.5 | 86.61x23.62 | 106.3x35.43 | 145.67x66.93 | DRILL CHART: TOP to BOTTOM | ALL UNITS ARE IN MILS | PLATED | NON-PLATED | QTY | 5169 | 2740 | 38 | 9 | 70 | 3 | 2 | 8 | 28 | 11 | 20 | 6 | 4 | 1 | 12
